# Altium PCB Coral Dev Board Micro.PcbDoc (part 2 of 6) (continued)
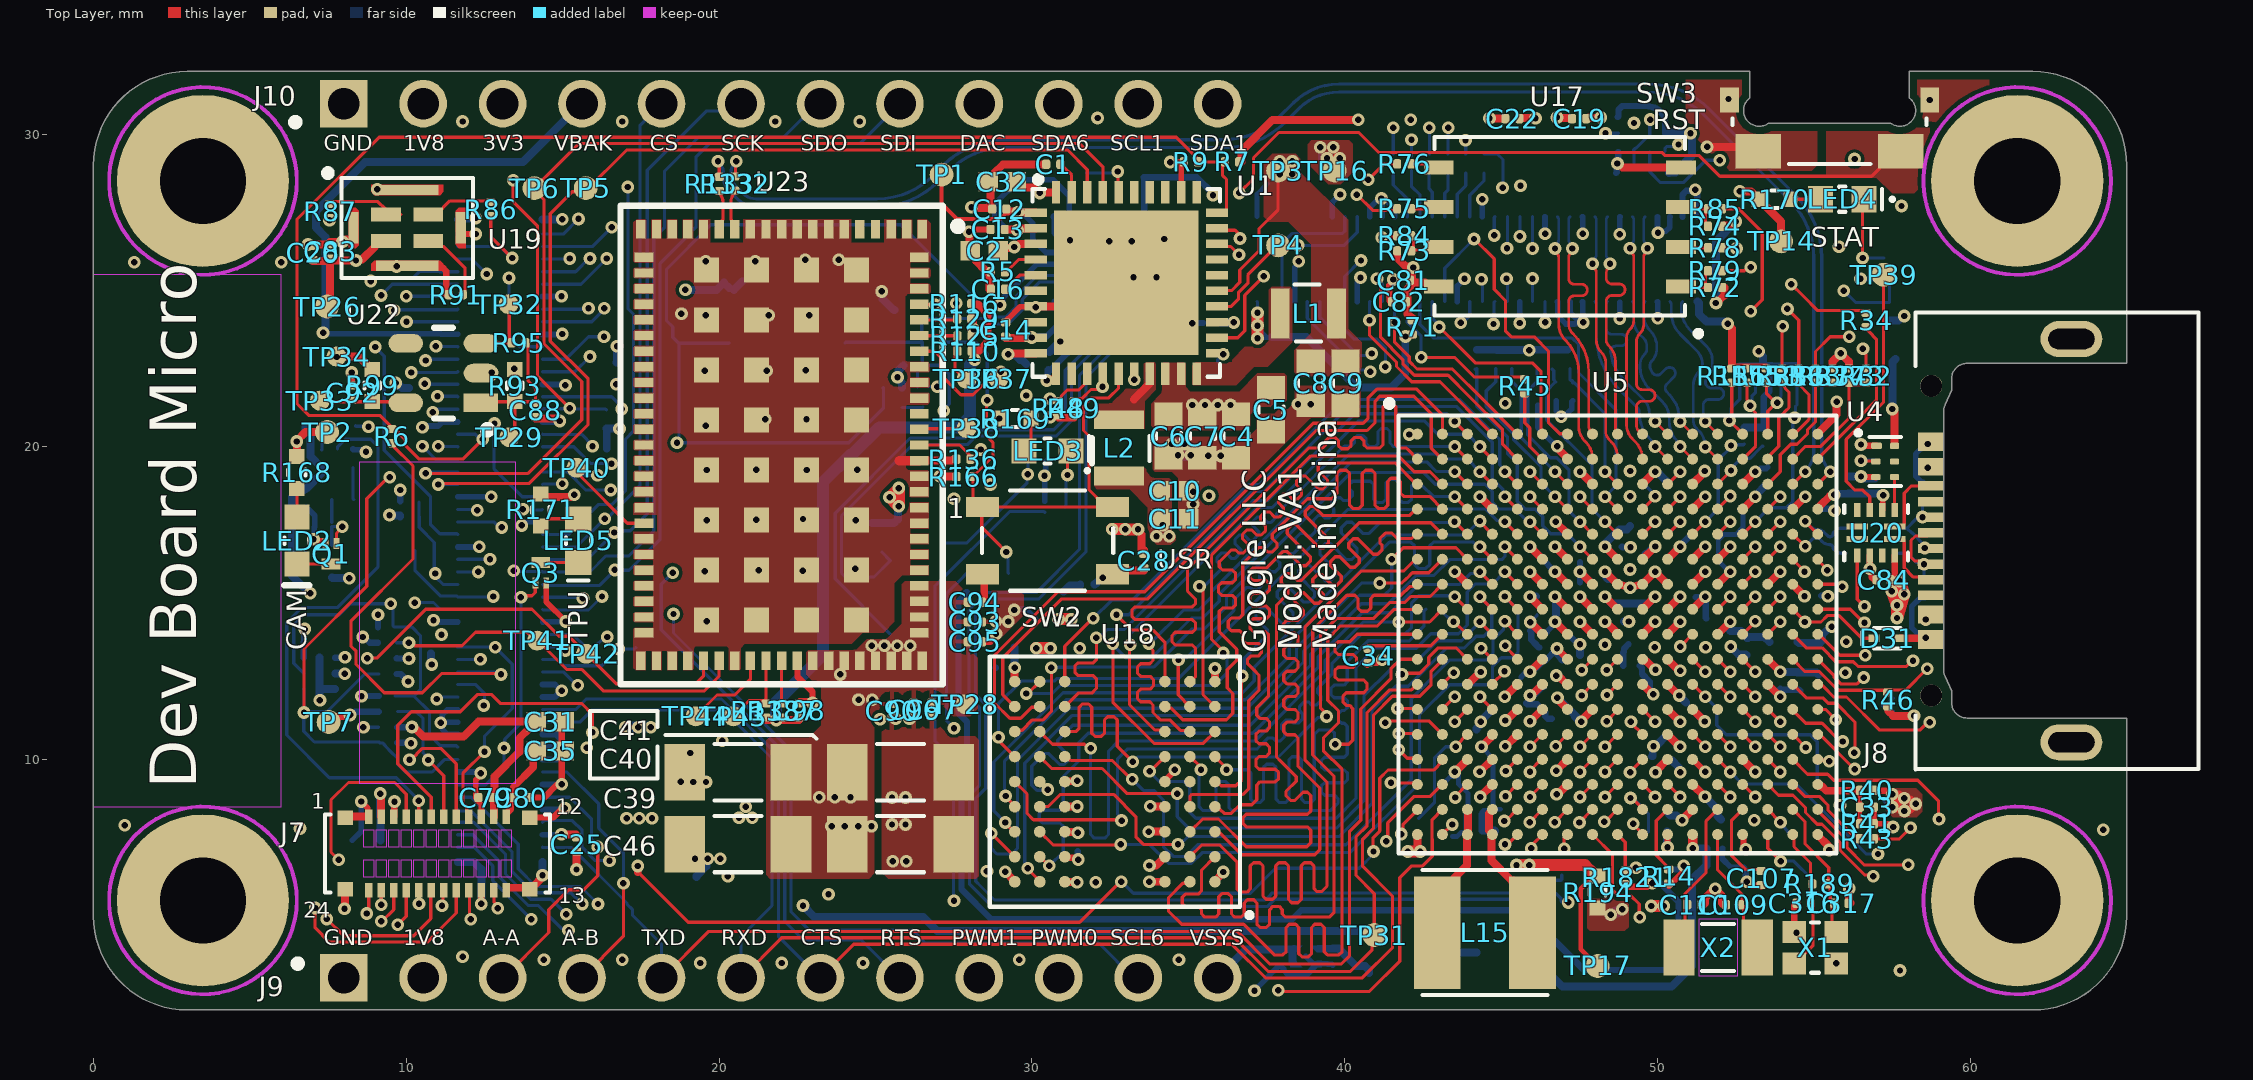
[diagram p0: Top Layer view]
## Part data (continued)
TP28 TP29 TP32 TP33 TP34 TP35 TP36 TP37 TP38 TP40 TP41 TP42 TP43 TP44: library part 115, "TESTPAD_SMT_25MIL", ComponentLink1URL="_PCB Feature", ID=115, MFG="_PCB Feature", Status="In Development"
U1: library part 770, "IC, PWR MANAGEMENT, DA9061, DDR, BUCK, LDO, 2.7 TO 5.5 VIN, SMD", Package=40-QFN, Category="Integrated Circuits (ICs)", ComponentLink1URL=https://drive.google.com/a/google.com/file/d/1gaatOYX1-uBj1SMvDyL_BcuT9Czf3Mnn/view?usp=sharing, Height=0.9mm, ID=770, MFG="Dialog Semiconductor", MFG P/N=DA9061, Mounting Type=SMD, RoHS Compliant=Yes, Status=Released
U2: library part 868, "IC, REG, TCR2LN33, LINEAR, LDO, 5.5V VIN, 3.3V VOUT, CMOS O/P, SDFN-4", Package="4-SDFN (0.8x0.8)", Supplier Part Number 1=TCR2LN33LFTR-ND, Category="Integrated Circuits (ICs)", ComponentLink1Description=Datasheet, ComponentLink1URL=https://toshiba.semicon-storage.com/ap-en/semiconductor/product/power-management-ics/low-dropout-regulators-ldo-regulators/detail.TCR2LN33.html, Height=0.4mm, HelpURL=https://www.digikey.com/en/products/detail/toshiba-semiconductor-and-storage/TCR2LN33-LF/5210658?s=N4IgTCBcDaICoGEBKYAyA5AzJgNKgYiALoC%2BQA, ID=868, MFG="Toshiba Semiconductor and Storage", MFG P/N=TCR2LN33,LF, Mounting Type=SMD, RoHS Compliant=Yes, Status=Released, Supplier 1=Digi-Key
U3: library part 438, "IC, BUFFER, 74LVC1G126, NON-INVERT, SINGLE ELEMENT, 3-STATE O/P, 32mA, 1.65V TO 5.5V VIN, UFDFN-6", Package="6-SON (1.45x1)", Supplier Part Number 1=296-SN74LVC1G126DRYRTR-ND, Category="Integrated Circuits (ICs)", ComponentLink1Description=Datasheet, ComponentLink1URL=https://www.ti.com/lit/ds/symlink/sn74lvc1g126.pdf?HQS=dis-dk-null-digikeymode-dsf-pf-null-wwe&ts=1622160361458, Height=0.6mm, HelpURL=https://www.digikey.com/en/products/detail/texas-instruments/SN74LVC1G126DRYR/1591998?s=N4IgTCBcDaIMoDkDsAWAMgNQMIEYDiOYAbACIBKAmmSALoC%2BQA, ID=438, MFG="Texas Instruments", MFG P/N=SN74LVC1G126DRYR, Mounting Type=SMD, RoHS Compliant=Yes, Status=Released, Supplier 1=Digi-Key
U4: library part 441, "IC, TRANSLATOR, 74AXP1, UNIDIR, 1-CH, NON-INVERTED O/P, LOW NOISE OVERSHOOT, XSON-6", Package="6-XSON, SOT886 (1.45x1)", Supplier Part Number 1=1727-2482-2-ND, Category="Integrated Circuits (ICs)", ComponentLink1Description=Datasheet, ComponentLink1URL=https://assets.nexperia.com/documents/data-sheet/74AXP1T34.pdf, Height=0.5mm, HelpURL=https://www.digikey.com/en/products/detail/nexperia-usa-inc/74AXP1T34GMH/5971133?s=N4IgTCBcDaIOwBYCCANACgRgCoGYEHEBZACRAF0BfIA, ID=441, MFG="Nexperia USA Inc.", MFG P/N=74AXP1T34GMH, Mounting Type=SMD, RoHS Compliant=Yes, Status=Released, Supplier 1=Digi-Key
U5: library part 117, "IC, PROCESSOR, MIMXRT1176CV, ARM CORTEX-M4/M7, 2MB RAM, SDRAM, WLAN, BGA-289", Package=BGA-289, Category="Integrated Circuits (ICs)", ComponentLink1Description=Datasheet, ComponentLink1URL=https://drive.google.com/file/d/1FTzS3WjHycHWpbzAg-R_xAViv5bKJdqv/view, Height=1.52mm, ID=117, MFG="NXP Semiconductors", MFG P/N=MIMXRT1176CVM8A, RoHS Compliant=Yes, Status=Released
U6: library part 122, "IC, MICRO CONTROLLER, A7101, MX51, SECURITY, TEMP, AUTHENTICATION, I2C, WLCSP-12", Package="12-WLCSP (2.06x2.02)", Supplier Part Number 1=568-14698-2-ND, Category="Integrated Circuits (ICs)", ComponentLink1Description=Datasheet, ComponentLink1URL=https://www.nxp.com/docs/en/data-sheet/A71CH-SDS.pdf, Height=0.65mm, HelpURL=https://www.digikey.com/en/products/detail/nxp-usa-inc/A7101CHUK-T0BC2HAZ/9664256?s=N4IgTCBcDaIIIHYCMAGJBhAEgVQNIgF0BfIA, ID=122, MFG="NXP USA Inc.", MFG P/N=A7101CHUK, RoHS Compliant=Yes, Status=Released, Supplier 1=Digi-Key
U10 U13 U14: "SPST 2x, 1.65V ~ 5.5V, XSON8, 500MHz at 50Ohm", Help URL=https://www.digikey.com/en/products/detail/nexperia-usa-inc/74LVC2G66GT115/1300857
U17: library part 428, "IC, MEMORY, MT29F1G01ABB, NON-VOLATILE, FLASH, 1Gb(1G x 1), SPI, 1.7 TO 1.95V VIN, UDFN-8", Package="8-U-PDFN (8x6)", Supplier Part Number 1=MT29F1G01ABBFDWB-IT:F-ND, Category="Integrated Circuits (ICs)", ComponentLink1Description=Datasheet, ComponentLink1URL=https://drive.google.com/file/d/1C-NTATQpKfaFS0xUlD5OwC7TQ7HH5Sp1/view, Height=0.65mm, HelpURL=https://www.digikey.com/en/products/detail/micron-technology-inc/mt29f1g01abbfdwb-it-f/7707445, ID=428, MFG="Micron Technology Inc.", MFG P/N=MT29F1G01ABBFDWB, Mounting Type=SMD, RoHS Compliant=Yes, Status=Released, Supplier 1=Digi-Key
U18: library part 427, "IC, MEMORY, MT48H32M16, VOLATILE, DRAM, 512Mb(32M x 16), 1.7 TO 1.95V VIN, VFBGA-54", Package="54-VFBGA (8x8)", Supplier Part Number 1=MT48H32M16LFB4-6IT:C-ND, Category="Integrated Circuits (ICs)", ComponentLink1Description=Datasheet, ComponentLink1URL=https://drive.google.com/file/d/1ZqN_IvmDCh6UxoJlg56_oHNDqlNjxBG5/view, Height=1mm, HelpURL=https://www.digikey.com/en/products/detail/micron-technology-inc/mt48h32m16lfb4-6-it-c/4315912, ID=427, MFG="Micron Technology Inc.", MFG P/N=MT48H32M16LFB4-6, Mounting Type=SMD, RoHS Compliant=Yes, Status=Released, Supplier 1=Digi-Key
U19: library part 212, "AUDIO, MIC, MEMS, OMNIDIRECTIONAL, DIGITAl/PDM O/P, 20Hz TO 20KHz, -26dB SENSITIVITY, +/-1dB, 64.5dB S/N R, SMD", Supplier Part Number 1=423-1425-2-ND, Voltage, Rated="1.6 V ~ 3.6 V", Category=Microphones, ComponentLink1Description=Datasheet, ComponentLink1URL=https://www.knowles.com/docs/default-source/model-downloads/spk0641ht4h-1-rev-a.pdf, Height=1.1mm, HelpURL=https://www.digikey.com/en/products/detail/knowles/SPK0641HT4H-1/8573345, ID=212, MFG=Knowles, MFG P/N=SPK0641HT4H-1, Mounting Type=SMD, RoHS Compliant=Yes, Status=Released, Supplier 1=Digi-Key
U20: library part 224, "IC, HOST CTLR, PTN5150A, USB, 2.7 TO 5.5 VIN, X2QFN-12", Package="12-X2QFN (1.6x1.6)", Supplier Part Number 1=568-13083-1-ND, ComponentLink1Description=Datasheet, ComponentLink1URL=https://www.nxp.com/docs/en/data-sheet/PTN5150A.pdf, HelpURL=https://www.digikey.in/product-detail/en/nxp-usa-inc/PTN5150AHXMP/568-13083-1-ND/6569882, ID=224, MFG="NXP USA Inc.", MFG P/N=PTN5150AHXMP, Mounting Type=SMD, RoHS Compliant=YES, Status=Released, Supplier 1=Digi-Key
U21: library part 926, "IC, SW, SIP32408, HIGH-SIDE, N-CH, 1:1, 1.1V TO 5.5V VCL, 3.5A, 44mOHM RDS(ON), TDFN-4", Package="4-TDFN (1.2x1.6)", Supplier Part Number 1=SIP32408DNP-T1-GE4TR-ND, Category="Integrated Circuits (ICs)", ComponentLink1Description=Datasheet, ComponentLink1URL=https://www.vishay.com/docs/63717/sip32408.pdf, Height=0.6mm, HelpURL=https://www.digikey.com/en/products/detail/vishay-siliconix/SIP32408DNP-T1-GE4/4496331?s=N4IgTCBcDaIAQGUCSAFAzGALABgBwBEA5FAWgBUBGEgcQFFMQBdAXyA, ID=926, MFG="Vishay Siliconix", MFG P/N=SIP32408DNP-T1-GE4, Mounting Type=SMD, RoHS Compliant=Yes, Status=Released, Supplier 1=Digi-Key
U22: library part 930, "IC, REG, NCP170AS, LINEAR, FIXED, 2.2V TO 5.5V VIN, 1.8V VOUT, 150mA, TSOP-5", Package=5-TSOP, Supplier Part Number 1=NCP170ASN180T2GOSTR-ND, Category="Integrated Circuits (ICs)", ComponentLink1Description=Datasheet, ComponentLink1URL=https://www.onsemi.com/pdf/datasheet/ncp170-d.pdf, Height=1.1mm, HelpURL=https://www.digikey.com/en/products/detail/onsemi/NCP170ASN180T2G/9829222?s=N4IgTCBcDaIHIGEAKBGA7ABgIIGU4oA4MAVMAcRAF0BfIA, ID=930, MFG=onsemi, MFG P/N=NCP170ASN180T2G, Mounting Type=SMD, RoHS Compliant=Yes, Status=Released, Supplier 1=Digi-Key
U23: "TPU module"
X1: library part 140, "XTAL, 24MHz, +/-10PPM STAB, +/-10PPM, 8pF, 80 OHM, SMD-4", Frequency="24 MHz", Frequency Stability=±10ppm, Load Capacitance=8pF, Operating Temperature="-20°C ~ 70°C", Package="4-SMD, No Lead", Supplier Part Number 1=490-18288-2-ND, Category="Crystals, Oscillators, Resonators / Crystals", ComponentLink1Description=Datasheet, ComponentLink1URL=https://www.murata.com/products/productdata/8801057439774/SPEC-XRCGB24M000F1H01R0.pdf, ESR="80 Ohms", Frequency Tolerance=±10ppm, Height=0.7mm, HelpURL=https://www.digikey.com/en/products/detail/murata-electronics/XRCGB24M000F1H01R0/9959645?s=N4IgTCBcDaIBoCUDCBxAQmALAWQAz4DEBGACVyIVxAF0BfIA, ID=140, MFG=XRCGB24M000F1H01R0, MFG P/N="Murata Electronics", Mounting Type=SMD, RoHS Compliant=Yes, Status=Released, Supplier 1=Digi-Key, Type="MHz Crystal"
X2: library part 139, "XTAL, 32.7680KHz, +/-20PPM, 7pF, 70 KOHM, SMD-2 / XTAL, 32.7680KHz, +/-20PPM, 7pF, 70 KOHM, SMD-2\"", Frequency="32.768 kHz", Frequency Tolerance=±20ppm, Load Capacitance=7pF, Operating Temperature="-40°C ~ 85°C", Package="2-SMD, No Lead", Supplier Part Number 1=SER4086TR-ND, Category="Crystals, Oscillators, Resonators / Crystals", ComponentLink1Description=Datasheet, ComponentLink1URL=https://support.epson.biz/td/api/doc_check.php?dl=brief_FC-135&lang=en, ESR="70 kOhms", Height=0.9mm, HelpURL=https://www.digikey.com/en/products/detail/epson/FC-135-32-7680KA-AG3/5259897, ID=139, MFG="FC-135 32.7680KA-AG3", MFG P/N=EPSON, Mounting Type=SMD, RoHS Compliant=Yes, Status=Released, Supplier 1=Digi-Key, Type="kHz Crystal (Tuning Fork)"

## Free pads (board coordinates)
  round 5.5 hole 2.75 mask+0.05: 6(3.5,5.5) 6(3.5,28.5) 6(61.5,5.5) 6(61.5,28.5)

## Via types
v1: diameter 0.406, hole 0.203, Top Layer to Bottom Layer, tented both sides, 809 vias

## Nets (pads, with @x,y where several pads share a name; then routed paths per layer and width w, separated by ;. In a path a pad name is that pad's centre, name@x,y a point inside that pad or via, vN(x,y) a via of type N, cw(c..) or ccw(c..) an arc to the next point about the centre after c; other vN are vias at no path point)
ADC1_CH0A: J5.10 J9.3 U5.N13 | length 64.5
  Top Layer w0.102: J9.3@13.08,3 14.554,4.474 14.554,5.207 15.189,5.842 15.672,5.842 16.124,6.294 v1(16.124,7.209) ; U5.N13@51.922,10.808 v1(52.322,10.408)
  L6 w0.102: v1(16.124,7.209) 16.37,7.455 27.411,7.455 27.991,6.875 27.991,6.477 28.956,5.512 36.506,5.512 39.097,2.921 53.746,2.921 56.488,5.662 56.488,6.577 56.693,6.782 56.693,10.79 55.849,11.633 55.347,11.633 54.566,10.852 53.775,10.852 53.566,11.061 53.566,11.432 53.391,11.608 52.883,11.608 52.705,11.43 52.705,10.791 v1(52.322,10.408)
  Bottom Layer w0.102: J5.10@14.355,8.8 15.218,8.8 15.926,8.092 15.926,7.442 16.124,7.244 v1(16.124,7.209)
ADC1_CH0B: J5.14 J9.4 U5.T17 | length 56.8
  Top Layer w0.102: J9.4@15.62,3.03 16.942,4.352 v1(16.942,6.045) ; U5.T17@55.122,8.408 55.122,8.361 56.053,7.43 56.053,7.193 56.617,6.629 58.002,6.629 v1(58.014,6.641)
  L6 w0.102: v1(16.942,6.045) 17.024,6.045 18.091,4.978 36.465,4.978 38.764,2.68 38.827,2.616 38.929,2.515 54.026,2.515 57.955,6.444 57.955,6.582 v1(58.014,6.641)
  Bottom Layer w0.102: J5.14@14.355,9.6 J5.14@14.355,9.6 15.138,9.601 16.154,8.585 16.154,7.81 16.942,7.023 v1(16.942,6.045)
ADC1_CH2A: C33.1 R40.1 R41.2 U5.R17 | length 2.5
  Top Layer w0.152: R40.1@56.464,9.042 56.468,9.039 R40.1@56.468,9.017 C33.1@56.468,8.484 R41.2@56.468,7.95
  Top Layer w0.25: U5.R17@55.122,9.208 55.149,9.208 55.199,9.158 55.243,9.158 55.394,9.007 56.393,9.007 R40.1@56.393,8.992
ADC1_CH2B: J5.6 U5.P16 | length 56.1
  Top Layer w0.102: U5.P16@54.322,10.008 54.795,9.535 55.438,9.535 55.631,9.342 58.323,9.342 58.979,8.687 58.979,8.121 v1(59,8.1)
  L6 w0.102: v1(16.495,6.772) 16.53,6.772 17.01,7.252 27.292,7.252 27.788,6.756 27.788,6.393 28.872,5.309 36.422,5.309 39.013,2.718 53.843,2.718 57.607,6.482 57.607,7.007 57.9,7.3 58.2,7.3 v1(59,8.1)
  Bottom Layer w0.102: J5.6@14.355,8 14.407,8.052 15.311,8.052 15.621,7.742 15.621,7.193 16.043,6.772 v1(16.495,6.772)
ADC_1V8_IN: C117.1 C136.1 C347.1 C348.1 FB2.2 U5.G16 U5.K15 U5.M11 | length 2.9
  Top Layer w0.254: U5.M11@50.322,11.608 v1(50.722,11.208) ; U5.K15@53.522,13.208 v1(53.922,12.808) ; U5.G16@54.322,15.608 54.322,15.597 54.642,15.277 v1@54.642,15.265
  Bottom Layer w0.102: C347.1@54.642,15.265 54.667,15.24 C347.1@54.699,15.24
  Bottom Layer w0.254: v1(53.922,12.808) 53.952,12.808 53.955,12.805 53.961,12.805 C117.1@53.964,12.802 ; C117.1@53.939,12.802 C348.1@54.458,12.802 ; C348.1@54.475,12.784 FB2.2@55.059,12.784 ; C348.1@54.483,12.802 C348.1@54.5,12.784 ; FB2.2@55.084,12.784 FB2.2@55.143,12.725
  other v1: 54.699,15.221
BOOT_MODE0: J6.19 R30.1 R31.2 R163.2 SW1.5 U5.P6 | length 68.6
  Top Layer w0.102: v1(45.922,9.608) 45.922,9.651 46.279,10.008 U5.P6@46.322,10.008
  L3 w0.102: v1(18.656,20.13) 18.703,20.13 18.868,19.964 25.578,19.964 26.467,19.075 26.467,18.135 26.974,17.628 32.055,17.628 32.283,17.856 34.381,17.856 35.666,16.571 36.615,16.571 41.172,12.014 41.844,12.014 42.697,11.161 42.697,10.566 43.231,10.033 45.469,10.033 45.894,9.608 v1(45.922,9.608)
  Bottom Layer w0.102: v1(18.656,20.13) 24.147,20.13 25.252,21.235 25.252,21.26 25.252,21.359 25.252,21.796 R30.1@25.248,21.895 ; v1@18.72,20.275 R163.2@18.72,23.313 ; SW1.5@20.324,23.324 20.313,23.312 R163.2@18.72,23.313 ; J6.19@34.8,27.355 34.8,26.393 34.519,26.111 32.961,26.111 32.326,25.476 30.167,25.476 29.489,24.798 29.489,24.46 29.185,24.155 28.758,24.155 25.812,27.102 19.736,27.102 18.317,25.683 18.317,24.037 18.521,23.834 18.521,23.499 18.707,23.313 R163.2@18.72,23.313
BOOT_MODE1: D6.A J6.21 Q4.1 R29.1 R164.2 SW1.2 U5.T7 | length 46.3
  Top Layer w0.102: v1(46.711,8.001) 46.715,8.001 U5.T7@47.122,8.408
  L3 w0.102: v1(27.178,21.158) 27.127,21.107 27.127,19.507 28.473,18.161 31.775,18.161 31.928,18.313 34.498,18.313 35.834,16.977 36.783,16.977 40.947,12.814 41.358,12.814 41.624,13.081 41.981,13.081 42.901,12.161 42.901,11.938 43.205,11.633 43.721,11.633 43.993,11.361 43.993,11.067 44.239,10.82 46.048,10.82 46.366,10.503 46.366,8.346 v1(46.711,8.001)
  Bottom Layer w0.102: SW1.2@24.024,23.324 24.043,23.343 R164.2@25.603,23.343 D6.A@26.467,23.343 ; Q4.1@26.34,21.92 26.34,22.429 26.492,22.581 R29.1@26.492,22.606 ; D6.A@26.467,23.444 26.467,23.368 26.492,23.343 R29.1@26.492,22.606 ; D6.A@26.478,23.444 26.478,23.938 26.645,24.105 27.466,24.105 27.468,24.102 27.858,24.102 27.86,24.105 28.486,24.105 28.663,23.927 29.243,23.927 29.693,24.376 29.693,24.714 30.251,25.273 32.41,25.273 33.045,25.908 34.671,25.908 35.2,26.437 J6.21@35.2,27.355 ; v1(27.178,21.158) 27.178,21.192 27.356,21.37 27.356,22.327 27.076,22.606 R29.1@26.492,22.606
BRD_STAT_LED: J5.80 Q10.1 R172.1 U5.L9 | length 64.1
  Top Layer w0.102: v1(48.387,12.065) 48.387,12.073 U5.L9@48.722,12.408
  L3 w0.102: v1@16.401,23.579 16.46,23.579 16.504,23.622 17.069,23.622 17.602,23.089 24.399,23.089 24.703,23.393 28.398,23.393 28.525,23.52 29.469,23.52 29.977,23.012 34.95,23.012 35.255,23.317 36.266,23.317 36.5,23.083 36.5,22.579 37.313,21.766 37.313,20.555 40.418,17.45 42.545,17.45 43.606,16.389 45.28,16.389 45.503,16.166 45.503,15.124 45.829,14.798 46.035,14.798 46.305,14.528 46.305,14.322 46.628,13.999 46.844,13.999 47.15,13.693 47.15,13.561 47.455,13.256 47.691,13.256 47.978,12.969 47.978,12.474 v1(48.387,12.065)
  L6 w0.102: v1(48.387,12.065) 47.93,12.522 47.93,12.713 47.935,12.718 47.935,14.524 48.194,14.783 52.527,14.783 52.741,14.997 52.741,16.166 53.002,16.427 53.28,16.427 53.503,16.65 53.503,17.029 53.727,17.252 54.069,17.252 54.305,17.488 54.305,18.669 54.153,18.821 54.153,19.456 54.839,20.142 54.839,23.875 55.956,24.992 v1(55.956,24.994)
  Bottom Layer w0.102: J5.80@14.355,22.8 15.104,22.8 15.824,23.52 v1(16.319,23.52) ; v1(55.956,24.994) 55.959,24.994 56.34,24.613 57.409,24.613 57.417,24.62 57.417,25.362 Q10.1@57.404,25.375
BT_CFG1_0_ENET_RGMII_TXD3: R10.2 R139.1 R151.1 U5.D10 | length 22.5
  Top Layer w0.102: U5.D10@49.522,18.008 v1@49.922,18.408
  L6 w0.127: v1(41.554,30.201) 41.554,28.143 41.898,27.799 41.943,27.754 42.069,27.629 42.248,27.629 42.623,28.003 42.803,28.003 42.982,27.824 42.982,27.644 42.527,27.189 42.527,27.009 42.706,26.83 42.886,26.83 43.341,27.285 43.521,27.285 43.701,27.105 43.701,26.926 43.326,26.551 43.326,26.372 43.663,26.035 43.798,26.035 44.425,26.035 44.767,25.692 44.767,24.854 44.361,24.447 44.361,21.577 45.481,20.457 47.244,20.457 47.447,20.254 48.654,20.254 49.517,19.391 49.517,19.012 49.869,18.661 49.869,18.476 v1(49.922,18.422)
  Bottom Layer w0.102: R10.2@41.554,29.358 v1(41.554,30.201) ; R139.1@49.555,18.847 49.555,18.818 49.922,18.451 v1(49.922,18.422)
BT_CFG1_1_ENET_RGMII_TXD2: R16.2 R140.1 R152.1 U5.E12 | length 22.1
  Top Layer w0.102: U5.E12@51.122,17.208 v1(51.522,17.608)
  L6 w0.127: v1(42.134,29.815) 43.171,28.778 47.32,28.778 48.539,27.559 50.22,27.559 50.673,27.106 50.673,23.038 52.692,21.019 52.692,20.344 52.389,20.041 v1(52.349,20.041)
  Bottom Layer w0.102: R16.2@42.134,29.283 v1(42.134,29.815) ; v1(51.522,17.608) 51.941,18.027 51.941,19.581 52.349,19.99 v1(52.349,20.041) 52.376,20.067 52.753,20.067 R140.1@52.781,20.095
BT_CFG1_2_ENET_RGMII_TXD1: R18.2 R141.1 R153.1 U5.A15 | length 23.4
  Top Layer w0.102: R153.1@53.48,21.976 53.48,21.711 v1@53.778,21.412 ; U5.A15@53.522,20.408 53.522,21.138 53.778,21.395 v1@53.778,21.412 ; v1(53.823,21.412) v1@53.778,21.412
  L6 w0.127: v1(42.701,30.197) 42.701,30.23 43.066,30.594 43.982,30.594 44.884,29.693 47.526,29.693 48.567,28.651 50.219,28.651 50.813,28.058 50.813,28.056 51.062,27.807 51.618,27.807 51.943,27.483 51.943,27.051 52.222,26.772 53.238,26.772 53.492,26.518 53.492,26.162 53.492,25.451 53.384,25.343 52.906,25.343 52.798,25.235 52.798,25.019 52.906,24.911 53.384,24.911 53.492,24.803 53.492,24.74 53.492,23.8 53.975,23.317 53.975,23.241 53.975,22.898 54.102,22.771 54.329,22.771 54.456,22.644 54.456,22.39 54.329,22.263 54.102,22.263 53.823,21.984 v1(53.823,21.412)
  Bottom Layer w0.102: R18.2@42.697,29.358 42.707,29.367 42.707,30.191 v1(42.701,30.197) ; v1(53.823,21.412) 53.823,21.495 53.95,21.622 53.95,21.971 R141.1@53.962,21.984
BT_CFG1_3_ENET_RGMII_TXD0: R19.2 R142.1 R154.1 U5.C13 | length 23.4
  Top Layer w0.102: U5.C13@51.922,18.808 51.922,18.812 52.348,19.238 v1(52.348,19.242)
  L6 w0.127: v1(43.307,30.201) 43.332,30.226 43.991,30.226 44.778,29.439 47.42,29.439 48.792,28.067 50.444,28.067 50.559,27.953 50.559,27.951 50.938,27.572 50.94,27.572 51.943,26.568 51.943,25.349 52.273,25.019 52.273,24.463 52.708,24.028 52.708,22.914 53.353,22.27 53.353,21.438 53.353,20.866 53.226,20.739 53.073,20.739 52.946,20.612 52.946,20.358 53.073,20.231 53.913,20.231 54.04,20.104 54.04,19.85 53.913,19.723 52.837,19.723 52.367,19.253 v1@52.356,19.242
  Bottom Layer w0.102: R19.2@43.307,29.358 43.299,29.365 43.299,30.193 v1(43.307,30.201) ; R154.1@52.329,19.262 52.329,19.287 52.68,19.638 52.958,19.638 53.266,19.946 53.34,20.02 R142.1@53.365,20.02
BT_CFG1_4_ENET_RGMII_TX_EN: R20.2 R143.1 R155.1 U5.B14 | length 23.5
  Top Layer w0.102: U5.B14@52.722,19.608 53.137,20.023 53.137,21.082 52.959,21.26 v1(52.959,21.311) 52.959,21.393 52.857,21.495 R155.1@52.857,21.976
  L6 w0.127: v1(43.863,29.797) 43.863,29.467 44.196,29.134 47.324,29.134 48.645,27.813 50.325,27.813 50.94,27.198 50.94,26.538 50.94,26.475 51.067,26.348 51.335,26.348 51.462,26.221 51.462,25.967 51.335,25.84 51.054,25.84 50.927,25.713 50.927,25.459 51.054,25.332 51.313,25.332 51.44,25.205 51.44,24.951 51.313,24.824 51.067,24.824 50.94,24.697 50.94,24.498 50.94,23.254 51.003,23.19 51.048,23.145 51.094,23.099 51.274,23.099 51.786,23.611 51.965,23.611 52.145,23.431 52.145,23.252 51.572,22.678 51.572,22.498 51.751,22.319 51.931,22.319 52.348,22.736 52.527,22.736 52.707,22.556 52.707,22.377 52.352,22.021 52.352,21.842 52.711,21.482 52.756,21.438 52.883,21.311 v1(52.959,21.311)
  Bottom Layer w0.102: v1(43.863,29.797) 43.867,29.793 43.867,29.361 R20.2@43.871,29.358 ; v1(52.959,21.311) 53.017,21.369 53.017,21.623 53.137,21.742 R143.1@53.137,21.976
BT_CFG1_5_ENET_RGMII_TXC: R26.2 R144.1 R156.1 U5.A14 | length 24.2
  Top Layer w0.102: v1(52.299,20.843) 52.722,20.42 U5.A14@52.722,20.408 ; v1@52.375,21.002 R156.1@52.375,21.976
  L6 w0.127: v1(45.047,28.283) 45.047,27.546 45.288,27.305 45.517,27.305 45.644,27.305 45.771,27.432 45.771,27.905 45.898,28.032 46.152,28.032 46.279,27.905 46.279,27.305 46.38,27.203 46.685,27.203 46.787,27.305 46.787,27.905 46.914,28.032 47.168,28.032 47.295,27.905 47.295,27.432 47.422,27.305 48.108,27.305 50.114,27.305 50.419,27 50.419,26.518 50.419,25.946 50.292,25.819 49.254,25.819 49.127,25.692 49.127,25.438 49.254,25.311 50.292,25.311 50.419,25.184 50.419,24.93 50.292,24.803 49.479,24.803 49.352,24.676 49.352,24.422 49.479,24.295 49.606,24.168 49.606,23.774 49.606,23.063 51.468,21.202 51.94,21.202 v1(52.299,20.843)
  Bottom Layer w0.102: R26.2@44.45,29.358 44.455,29.362 44.882,29.362 45.06,29.185 45.06,28.296 v1(45.047,28.283) ; v1(52.299,20.843) 52.349,20.894 52.349,21.24 52.629,21.519 R144.1@52.629,21.976
BT_CFG1_6: R145.1 R157.1 U5.E8 | length 6.8
  Top Layer w0.102: v1(47.523,17.602) 47.528,17.602 U5.E8@47.922,17.208
  Bottom Layer w0.102: R157.1@46.152,22.047 46.127,22.047 45.849,21.77 ; R157.1@46.152,22.073 46.127,22.073 45.849,21.795 45.849,21.77 ; R157.1@46.152,22.098 R145.1@46.152,22.504 ; v1(47.523,17.602) 47.166,17.959 47.166,19.266 46.78,19.652 46.575,19.652 45.849,20.378 45.849,21.77
BT_CFG1_7: R146.1 R158.1 U5.F8 | length 7.9
  Top Layer w0.102: v1(47.522,16.808) U5.F8@47.922,16.408
  Bottom Layer w0.102: R146.1@44.171,22.479 R146.1@44.183,22.466 ; R146.1@44.221,22.504 44.221,21.3 45.202,20.32 45.202,19.797 45.517,19.482 45.517,18.263 45.775,18.004 46.097,18.004 46.33,17.771 46.33,17.475 46.584,17.221 47.113,17.221 47.356,16.978
BT_CFG2_0: R147.1 R159.1 U5.E9 | length 6.4
  Top Layer w0.102: v1(48.322,17.608) U5.E9@48.722,17.208
  Bottom Layer w0.102: R147.1@46.634,22.479 46.68,22.433 46.68,22.172 ; 46.68,22.147 46.754,22.073 46.736,22.073 46.459,21.795 46.459,20.856 47.904,19.411 47.904,18.026 v1(48.322,17.608)
BT_CFG2_1: R148.1 R160.1 U5.D7 | length 6.1
  Top Layer w0.102: v1(46.722,18.408) U5.D7@47.122,18.008
  Bottom Layer w0.102: R160.1@44.831,22.098 R148.1@44.831,22.504 ; v1(46.722,18.408) 46.279,18.851 46.279,19.355 45.405,20.229 45.405,20.406 44.526,21.285 44.526,21.767 ; 44.526,21.767 44.831,22.072 44.806,22.073 44.526,21.793 44.526,21.767
BT_CFG2_2: R149.1 R161.1 U5.C7 | length 4.4
  Top Layer w0.102: v1(46.722,19.208) U5.C7@47.122,18.808
  Bottom Layer w0.102: R161.1@45.339,22.047 45.389,22.047 45.641,21.795 45.641,20.289 v1(46.722,19.208) ; R161.1@45.339,22.073 R149.1@45.339,22.504
BT_CFG2_3: R150.1 R162.1 U5.C9 | length 4.3
  Top Layer w0.102: v1(48.322,19.208) U5.C9@48.722,18.808
  Bottom Layer w0.102: 47.203,22.147 47.229,22.121 R162.1@47.285,22.121 ; 47.203,22.172 R150.1@47.203,22.495 ; R162.1@47.285,22.047 47.335,22.047 48.322,21.06 v1(48.322,19.208)
BT_CFG_IO_EN: R27.2 U5.P13 U14.3 U14.7 | length 39.6
  Top Layer w0.102: U5.P13@51.922,10.008 v1(52.322,9.608)
  L3 w0.102: v1(49.766,30.462) v1@49.766,30.472
  L6 w0.102: v1(49.766,30.462) 50.013,30.709 51.254,30.709 52.753,29.21 54.458,29.21 57.404,26.264 57.404,25.206 56.175,23.978 56.007,23.978 55.448,23.419 55.448,22.685 56.083,22.05 56.083,21.217 55.905,21.039 55.905,18.715 56.017,18.604 56.017,17.188 55.067,16.239 55.067,12.979 56.947,11.1 56.947,7.169 57.048,7.067 v1(57.048,6.985)
  Bottom Layer w0.102: R27.2@49.251,28.875 49.247,28.879 49.247,29.422 U14.3@49.243,29.426 49.243,29.501 49.292,29.55 49.311,29.55 49.663,29.902 49.693,29.902 49.754,29.963 49.754,30.45 v1(49.766,30.462) ; v1(52.322,9.608) 52.71,9.22 54.432,9.22 56.667,6.985 v1(57.048,6.985)
BT_DEV_WAKE: J6.62 U5.A7 | length 10.4
  Top Layer w0.102: v1(44.133,26.645) 44.145,26.645 44.78,26.01 44.78,25.034 45.136,24.679 45.136,23.708 45.329,23.515 46.06,23.515 46.512,23.063 46.512,20.777 46.872,20.418 47.112,20.418 U5.A7@47.122,20.408
  Bottom Layer w0.102: J6.62@43.2,24.645 43.2,25.712 v1(44.133,26.645)
BT_HOST_WAKE: J6.50 U5.A4 | length 6.4
  Top Layer w0.102: v1(40.792,24.044) 40.792,23.566 41.656,22.702 41.656,22.57 42.143,22.083 43.047,22.083 U5.A4@44.722,20.408
  Bottom Layer w0.102: v1(40.792,24.044) 40.796,24.047 40.796,24.641 J6.50@40.8,24.645
BT_REG_ON: J5.87 U5.G17 | length 67.4
  Top Layer w0.102: U5.G17@55.122,15.608 55.734,15.608 v1@55.743,15.598
  L3 w0.102: v1(9.612,24.369) 9.652,24.409 10.091,24.409 10.363,24.681 10.363,27.94 11.501,29.078 18.191,29.078 18.72,28.55 24.589,28.55 25.13,29.09 32.529,29.09 32.595,29.156 33.345,29.156 33.855,28.646 34.871,28.646 35.315,29.09 36.728,29.09 38.016,30.378 39.7,30.378 40.411,29.667 41.131,29.667 42.215,28.583 42.215,27.991 44.224,25.982 46.459,25.982 46.939,25.502 49.682,25.502 50.876,26.695 53.746,26.695 54.991,25.451 54.991,23.06 56.286,21.765 56.286,20.895 56.098,20.706 56.098,18.939 56.22,18.817 56.22,17.18 55.982,16.942 55.982,15.735 55.967,15.721 55.967,15.581 v1(55.909,15.523)
  Bottom Layer w0.102: v1(9.612,24.369) 9.627,24.384 11.629,24.384 J5.87@11.645,24.4
BUCK2_SW: L1.1 U1.20
BUCK3_SW: L2.1 U1.17 | length 1
  Top Layer w0.254: 33.257,21.514 33.762,22.018 33.762,22.332 U1.17@33.77,22.34
CAMERA_INT: J5.33 J7.9 U5.P9 | length 52.8
  Top Layer w0.102: J7.9@12,8.175 11.931,8.244 11.931,8.491 11.811,8.611 11.811,9.561 v1(12.5,10.25) v1@12.521,10.271 ; v1(48.322,9.608) U5.P9@48.722,10.008
  L3 w0.102: v1(12.844,13.597) 12.86,13.581 13.343,13.581 14.097,12.827 21.539,12.827 22.085,12.281 23.934,12.281 24.15,12.497 26.805,12.497 28.346,10.956 28.346,10.477 28.689,10.135 30.988,10.135 31.623,10.77 35.001,10.77 35.801,9.97 35.801,9.487 36.068,9.22 36.457,9.22 40.293,5.385 44.301,5.385 44.606,5.08 47.29,5.08 47.498,5.288 47.498,6.096 48.857,7.455 48.857,8.552 48.691,8.718 48.691,9.239 v1(48.322,9.608)
  Bottom Layer w0.102: J5.33@11.645,13.6 J5.33@11.645,13.6 12.843,13.599 v1(12.844,13.597) 13.386,13.056 13.386,11.636 12.5,10.75 v1(12.5,10.25)
CAMERA_TRIG: J7.4 U5.T2 | length 49.8
  Top Layer w0.102: v1(7.841,6.798) 7.595,7.045 7.595,8.712 8.153,9.271 9.627,9.271 10,8.897 J7.4@10,8.175 ; v1(37.871,2.632) 37.913,2.591 40.792,2.591 41.758,3.556 41.758,6.223 42.139,6.604 42.489,6.604 42.799,6.914 42.799,7.468 42.795,7.472 42.795,8.081 U5.T2@43.122,8.408
  L6 w0.102: v1(7.841,6.798) 8.382,6.258 8.382,4.623 8.892,4.113 13.912,4.113 14.58,4.78 14.58,5.232 15.088,5.74 16.622,5.74 17.859,4.503 36.048,4.503 37.871,2.68 v1(37.871,2.632)
CON_DET: TP39.1 U20.5 | length 8.5
  Top Layer w0.102: U20.5@56.785,17.975 56.785,18.399 56.566,18.618 56.312,18.618 56.032,18.898 56.032,20.239 57.226,21.432 TP39.1@57.226,25.502
CRYPTO_RST_N: U5.U8 U6.C3 | length 49.9
  Top Layer w0.102: U5.U8@47.922,7.608 48.565,6.965 48.565,5.829 48.743,5.651 49.149,5.651 49.416,5.385 49.416,4.978 v1(49.428,4.966)
  L3 w0.102: v1(8.035,12.742) 8.058,12.719 8.388,12.719 9.017,12.09 10.363,12.09 10.592,12.319 12.431,12.319 14.895,9.855 21.285,9.855 21.92,9.22 26.145,9.22 28.126,7.239 31.953,7.239 32.309,6.883 33.452,6.883 34.315,7.747 36.144,7.747 39.319,4.572 43.964,4.572 44.269,4.267 48.73,4.267 v1(49.428,4.966)
  Bottom Layer w0.102: U6.C3@7.722,12.759 U6.C3@7.73,12.75 ; v1@8.027,12.75 v1(8.035,12.742)
  Bottom Layer w0.254: U6.C3@7.73,12.75 v1@8.027,12.75
CSI_DATA02: J7.17 U5.J12 | length 68.5
  Top Layer w0.102: v1(7.087,5.258) 7.087,4.623 7.544,4.166 10.668,4.166 11.6,5.098 J7.17@11.6,5.825 ; v1(50.724,13.614) 51.117,14.008 U5.J12@51.122,14.008
  L6 w0.102: v1(7.087,5.258) 7.087,8.763 13.106,14.783 17.775,14.783 18.207,15.215 28.905,15.215 29.108,15.418 33.818,15.418 34.503,14.732 37.008,14.732 40.081,11.659 40.081,8.966 41.046,8.001 41.981,8.001 43.086,6.896 45.232,6.896 45.559,7.223 45.559,8.958 45.854,9.252 48.469,9.252 48.755,9.538 48.755,13.475 49.301,14.021 50.317,14.021 v1(50.724,13.614)
CSI_DATA03: J7.18 U5.K12 | length 59.6
  Top Layer w0.102: v1(11.144,5.327) 11.172,5.355 11.172,5.797 J7.18@11.2,5.825 ; U5.K12@51.122,13.208 v1(51.522,12.808)
  L6 w0.102: v1(11.144,5.327) 10.008,6.464 10.008,8.824 10.221,9.037 10.739,9.037 13.513,11.811 18.186,11.811 19.507,13.132 27.508,13.132 28.108,12.532 33.284,12.532 34.544,13.792 36.474,13.792 38.57,11.697 38.57,8.074 40.776,5.867 46.617,5.867 47.989,7.239 49.428,7.239 50.611,8.422 50.942,8.422 51.092,8.572 51.092,12.081 51.522,12.511 v1(51.522,12.808)
CSI_DATA04: J7.19 U5.K14 | length 71.2
  Top Layer w0.102: v1(7.457,4.907) 7.996,4.369 10.236,4.369 10.785,4.917 10.785,5.81 J7.19@10.8,5.825 ; U5.K14@52.722,13.208 v1(53.122,12.808)
  L6 w0.102: v1(7.457,4.907) 7.442,4.923 7.442,8.814 10.185,11.557 11.328,11.557 12.903,13.132 17.704,13.132 19.507,14.935 28.981,14.935 29.261,15.215 33.731,15.215 34.468,14.478 36.754,14.478 39.014,12.217 39.014,8.407 41.148,6.274 46.076,6.274 46.355,6.553 46.355,8.148 46.627,8.42 49.284,8.42 49.505,8.641 49.505,13.056 49.682,13.233 50.846,13.233 51.079,13.467 51.079,13.741 51.333,13.995 52.603,13.995 53.122,13.477 v1(53.122,12.808)
CSI_DATA05: J7.20 U5.K13 | length 64
  Top Layer w0.102: J7.20@10.404,5.832 10.404,5.395 v1(10.407,5.392) ; U5.K13@51.922,13.208 v1(52.322,12.808)
  L6 w0.102: v1(10.407,5.392) 10.365,5.392 8.153,7.603 8.153,8.758 8.87,9.474 10.724,9.474 14.052,12.802 18.694,12.802 20.193,14.3 27.229,14.3 27.94,13.589 29.286,13.589 30.709,15.011 33.569,15.011 34.356,14.224 36.525,14.224 38.773,11.976 38.773,8.268 40.97,6.071 46.507,6.071 47.981,7.544 49.322,7.544 50.339,8.561 50.339,12.2 50.585,12.446 50.902,12.446 51.079,12.624 51.079,12.929 51.314,13.164 51.966,13.164 v1(52.322,12.808)
CSI_DATA06: J7.21 U5.L16 | length 61.4
  Top Layer w0.102: v1(9.728,4.724) 10,4.996 J7.21@10,5.825 ; U5.L16@54.322,12.408 54.756,11.974 55.286,11.974 55.458,11.801 55.712,11.801 56.312,11.201 56.312,10.241 v1(56.292,10.221)
  L6 w0.102: v1(9.728,4.724) 9.811,4.724 10.016,4.519 12.769,4.519 13.386,5.136 13.386,6.299 14.338,7.252 15.184,7.252 16.416,8.484 19.88,8.484 20.617,9.22 29.576,9.22 30.135,8.661 30.886,8.661 31.191,8.966 33.826,8.966 34.334,8.458 34.925,8.458 39.472,3.912 44.431,3.912 44.863,3.48 52.603,3.48 56.215,7.092 56.215,8.931 55.91,9.235 55.91,9.84 v1(56.292,10.221)
CSI_DATA07: J7.22 U5.M16 | length 62.9
  Top Layer w0.102: v1(9.197,4.831) 9.225,4.831 9.601,5.207 J7.22@9.6,5.825 J7.22@9.6,5.825 ; U5.M16@54.322,11.608 54.322,11.576 54.737,11.161 55.26,11.161 55.839,10.582 v1(55.921,10.582)
  L6 w0.102: v1(9.197,4.831) 9.502,5.136 9.85,5.136 10.218,4.769 11.375,4.769 11.709,5.103 11.709,7.122 14.326,9.738 17.993,9.738 18.867,10.612 19.329,10.612 19.807,10.135 30.49,10.135 31.435,11.079 36.266,11.079 37.236,10.109 37.236,7.493 39.903,4.826 44.81,4.826 45.229,4.407 52.139,4.407 54.412,6.68 54.412,7.481 54.737,7.806 54.737,9.845 55.474,10.582 v1(55.921,10.582)
CSI_DATA08: J7.23 U5.N15 | length 59.9
  Top Layer w0.102: v1(9.196,5.361) v1(9.196,5.361) 9.198,5.823 J7.23@9.2,5.825 ; U5.N15@53.522,10.808 v1(53.922,10.408)
  L6 w0.102: v1(9.196,5.361) 9.217,5.339 9.934,5.339 10.302,4.972 11.291,4.972 11.506,5.187 11.506,7.427 14.087,10.008 17.899,10.008 19.133,11.242 20.213,11.242 21.118,10.338 30.099,10.338 31.161,11.4 36.302,11.4 37.44,10.262 37.44,7.671 40.081,5.029 44.894,5.029 45.313,4.61 51.956,4.61 53.543,6.198 53.543,7.036 54.305,7.798 54.305,10.025 v1(53.922,10.408)
CSI_DATA09: J7.24 U5.N17 | length 59.7
  Top Layer w0.102: v1(8.738,5.08) 8.738,5.162 8.8,5.225 J7.24@8.8,5.825 ; U5.N17@55.122,10.808 55.186,10.808 56.297,9.698 v1(56.302,9.698)
  L6 w0.102: v1(8.738,5.08) 8.738,4.724 9.146,4.316 12.917,4.316 13.665,5.065 13.665,6.198 14.427,6.96 15.316,6.96 16.053,7.696 21.793,7.696 22.479,8.382 29.489,8.382 29.769,8.103 31.953,8.103 32.334,8.484 33.096,8.484 33.477,8.103 34.95,8.103 39.776,3.277 52.7,3.277 56.418,6.995 56.418,9.498 56.302,9.615 v1(56.302,9.698)
CSI_HSYNC: J7.6 U5.M14 | length 59.8
  Top Layer w0.102: J7.6@10.8,8.175 10.8,8.798 9.728,9.87 9.728,11.095 10.165,11.532 11.732,11.532 12.285,12.085 12.715,12.085 13,11.8 15.6,11.8 15.951,11.449 v1(15.951,10.871) ; U5.M14@52.722,11.608 v1(53.122,11.208)
  L6 w0.102: v1(15.951,10.871) 16.447,10.376 17.98,10.376 19.156,11.552 20.295,11.552 21.239,10.607 27.981,10.607 28.494,11.12 30.577,11.12 31.13,11.674 36.332,11.674 37.643,10.363 37.643,7.849 40.259,5.232 44.978,5.232 45.334,4.877 47.791,4.877 48.596,5.682 51.021,5.682 51.867,6.528 52.73,6.528 53.478,7.275 53.478,10.556 53.122,10.911 v1(53.122,11.208)
CSI_MCLK: J7.14 R44.2 | length 54.2
  Top Layer w0.102: J7.14@12.8,5.825 12.8,5.459 12.929,5.331 v1(12.929,5.248)
  L6 w0.102: v1(12.929,5.248) 12.929,6.477 14.478,8.026 15.528,8.026 16.29,8.788 19.754,8.788 20.491,9.525 31.003,9.525 31.313,9.835 32.395,9.835 32.918,10.358 36.124,10.358 36.627,9.855 36.627,7.24 39.651,4.216 44.557,4.216 44.989,3.785 52.426,3.785 55.053,6.412 55.053,7.26 55.834,8.042 v1(55.834,8.545)
  Bottom Layer w0.102: R44.2@55.728,9.352 55.728,8.733 55.834,8.627 v1(55.834,8.545)
CSI_MCLK_RT: R44.1 U5.L12 | length 6.3
  Top Layer w0.102: U5.L12@51.122,12.408 v1(51.522,12.008)
  Bottom Layer w0.102: v1(51.522,12.008) 51.892,11.638 51.892,11.1 52.197,10.795 54.884,10.795 55.108,10.571 55.108,9.372 R44.1@55.128,9.352
CSI_PIXCLK: J7.16 U5.P17 | length 56.4
  Top Layer w0.102: J7.16@12,5.825 12.018,5.807 12.018,4.949 v1(12.065,4.902) ; U5.P17@55.122,10.008 55.15,9.98 55.461,9.98 v1(55.489,9.952)
  L6 w0.102: v1(12.065,4.902) 12.018,4.949 12.018,6.353 14.49,8.825 15.628,8.825 16.109,9.307 18.12,9.307 18.644,9.83 30.616,9.83 31.561,10.775 36.139,10.775 36.932,9.982 36.932,7.367 39.777,4.521 44.684,4.521 45.115,4.089 52.252,4.089 54.748,6.585 54.748,7.386 55.042,7.68 55.042,9.505 v1(55.489,9.952)